# EAGLE board Mk4 Final Panel 6up 3x2 (EAGLE 9.0.1), part 16 of 18
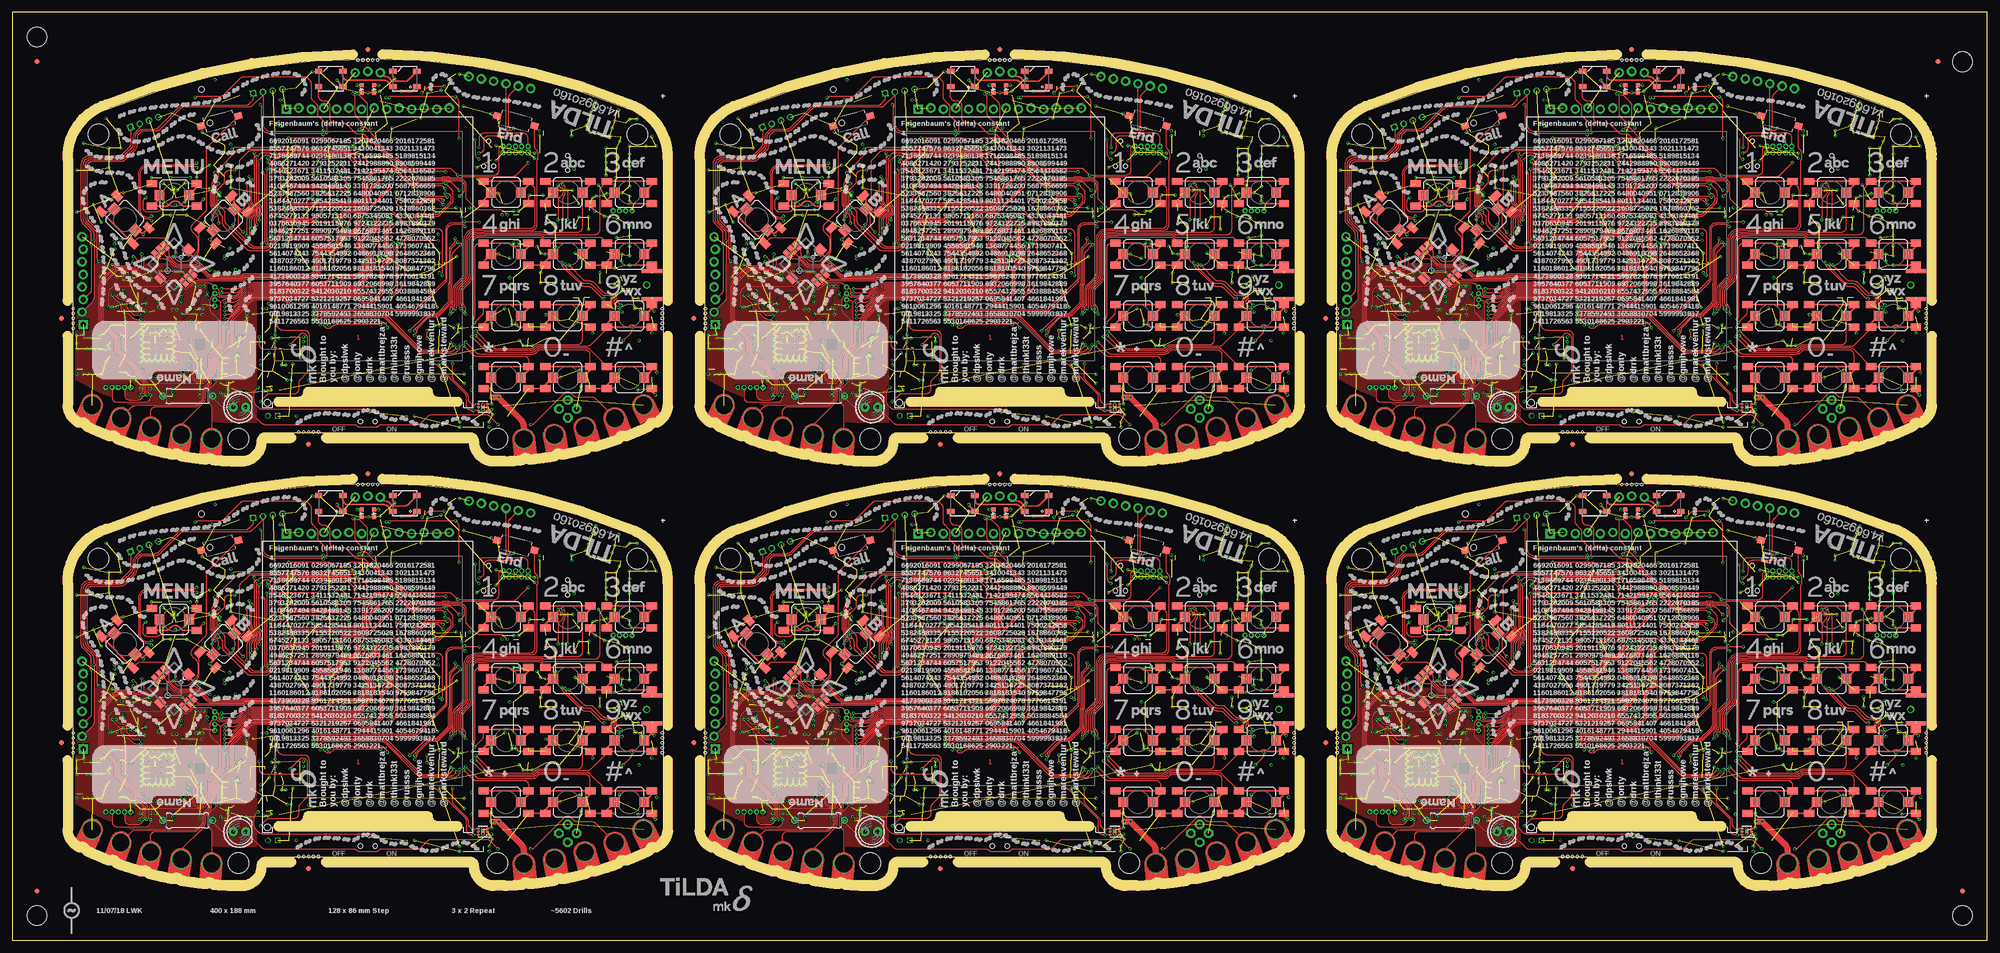
[diagram p0: board, top side]
## Tracks (layer width: path | path; a pad name or v marks a point on that pad's centre or on a via) (continued)
TCA_!INT  (via drill 0.3) (continued)
  Top 0.15: v72.4,58.6 arc-45 72.12,58.02 70.29,56.19 arc90 70.29,53.71 71.85,52.15 arc-45 72,51.79 72,51.71 arc-45 71.85,51.35 71.65,51.15 arc45 71.5,50.79 71.5,50.35 arc-45 71.06,49.28 70.61,48.84 arc-45 69.55,48.4 66.91,48.4 arc45 66.21,48.11 v65.7,47.6
  Bottom 0.15: R76.1 66.7,39.25 arc-90 65.7,40.25 v65.7,47.6 | IC1.15 72.6,58.19 arc45 72.45,58.55 v72.4,58.6
  Bottom 0.2: IC4.22 87.71,38.25 arc-45 87.35,38.4 87.06,38.69 arc-45 87.05,38.72 arc45 86.9,39.07 86.87,39.1 arc45 86.52,39.25 R76.1
TCA_!INT1  (via drill 0.3)
  Top 0.15: v200.4,58.6 arc-45 200.12,58.02 198.29,56.19 arc90 198.29,53.71 199.85,52.15 arc-45 200,51.79 200,51.71 arc-45 199.85,51.35 199.65,51.15 arc45 199.5,50.79 199.5,50.35 arc-45 199.06,49.28 198.62,48.84 arc-45 197.55,48.4 194.91,48.4 arc45 194.21,48.11 v193.7,47.6
  Bottom 0.15: R152.1 194.7,39.25 arc-90 193.7,40.25 v193.7,47.6 | IC20.15 200.6,58.19 arc45 200.45,58.55 v200.4,58.6
  Bottom 0.2: IC31.22 215.71,38.25 arc-45 215.35,38.4 215.06,38.69 arc-45 215.05,38.72 arc45 214.9,39.07 214.87,39.1 arc45 214.51,39.25 R152.1
TCA_!INT2  (via drill 0.3)
  Top 0.15: v72.4,144.6 arc-45 72.12,144.02 70.29,142.19 arc90 70.29,139.71 71.85,138.15 arc-45 72,137.79 72,137.71 arc-45 71.85,137.35 71.65,137.15 arc45 71.5,136.79 71.5,136.35 arc-45 71.06,135.28 70.61,134.84 arc-45 69.55,134.4 66.91,134.4 arc45 66.21,134.11 v65.7,133.6
  Bottom 0.15: R230.1 66.7,125.25 arc-90 65.7,126.25 v65.7,133.6 | IC38.15 72.6,144.19 arc45 72.45,144.55 v72.4,144.6
  Bottom 0.2: IC49.22 87.71,124.25 arc-45 87.35,124.4 87.06,124.69 arc-45 87.05,124.72 arc45 86.9,125.07 86.87,125.1 arc45 86.52,125.25 R230.1
TCA_!INT3  (via drill 0.3)
  Top 0.15: v200.4,144.6 arc-45 200.12,144.02 198.29,142.19 arc90 198.29,139.71 199.85,138.15 arc-45 200,137.79 200,137.71 arc-45 199.85,137.35 199.65,137.15 arc45 199.5,136.79 199.5,136.35 arc-45 199.06,135.28 198.62,134.84 arc-45 197.55,134.4 194.91,134.4 arc45 194.21,134.11 v193.7,133.6
  Bottom 0.15: R308.1 194.7,125.25 arc-90 193.7,126.25 v193.7,133.6 | IC56.15 200.6,144.19 arc45 200.45,144.55 v200.4,144.6
  Bottom 0.2: IC67.22 215.71,124.25 arc-45 215.35,124.4 215.06,124.69 arc-45 215.05,124.72 arc45 214.9,125.07 214.87,125.1 arc45 214.51,125.25 R308.1
TCA_!INT4  (via drill 0.3)
  Top 0.15: v328.4,58.6 arc-45 328.12,58.02 326.29,56.19 arc90 326.29,53.71 327.85,52.15 arc-45 328,51.79 328,51.71 arc-45 327.85,51.35 327.65,51.15 arc45 327.5,50.79 327.5,50.35 arc-45 327.06,49.28 326.62,48.84 arc-45 325.55,48.4 322.91,48.4 arc45 322.21,48.11 v321.7,47.6
  Bottom 0.15: R386.1 322.7,39.25 arc-90 321.7,40.25 v321.7,47.6 | IC74.15 328.6,58.19 arc45 328.45,58.55 v328.4,58.6
  Bottom 0.2: IC85.22 343.71,38.25 arc-45 343.35,38.4 343.06,38.69 arc-45 343.05,38.72 arc45 342.9,39.07 342.87,39.1 arc45 342.51,39.25 R386.1
TCA_!INT6  (via drill 0.3)
  Top 0.15: v328.4,144.6 arc-45 328.12,144.02 326.29,142.19 arc90 326.29,139.71 327.85,138.15 arc-45 328,137.79 328,137.71 arc-45 327.85,137.35 327.65,137.15 arc45 327.5,136.79 327.5,136.35 arc-45 327.06,135.28 326.62,134.84 arc-45 325.55,134.4 322.91,134.4 arc45 322.21,134.11 v321.7,133.6
  Bottom 0.15: R542.1 322.7,125.25 arc-90 321.7,126.25 v321.7,133.6 | IC110.15 328.6,144.19 arc45 328.45,144.55 v328.4,144.6
  Bottom 0.2: IC121.22 343.71,124.25 arc-45 343.35,124.4 343.06,124.69 arc-45 343.05,124.72 arc45 342.9,125.07 342.87,125.1 arc45 342.51,125.25 R542.1
TPS_FB
  Bottom 0.25: IC9.2 R61.1 R60.2 C103.2
TPS_FB1
  Bottom 0.25: IC33.2 R139.1 R138.2 C211.2
TPS_FB2
  Bottom 0.25: IC51.2 R217.1 R216.2 C319.2
TPS_FB3
  Bottom 0.25: IC69.2 R295.1 R294.2 C427.2
TPS_FB4
  Bottom 0.25: IC87.2 R373.1 R372.2 C535.2
TPS_FB6
  Bottom 0.25: IC123.2 R529.1 R528.2 C751.2
UART0_CON_RX  (via drill 0.3)
  Top 0.15: v65.9,59.05 65.9,59.16 66.18,59.44 arc45 66.33,59.79 66.33,59.82 arc-45 66.47,60.17 67.51,61.21 arc-45 68.21,61.5 70.66,61.5 arc45 72.61,62.3 76.91,66.61 arc45 77.2,67.31 v77.2,69.5 | v101.5,78.5 v101.49,78.5 101.11,78.12 arc-45 100.76,77.97 100.47,77.97 arc-90 99.97,78.47 JP8.4
  Bottom 0.15: v65.9,59.05 65.85,59.05 65.75,58.95 arc-45 65.39,58.8 IC1.33 | v77.2,69.5 arc-45 77.47,70.14 80.13,72.81 arc-45 80.84,73.1 89.19,73.1 arc45 89.89,73.39 94.01,77.51 arc-45 94.71,77.8 100.59,77.8 arc45 100.95,77.95 v101.5,78.5
UART0_CON_RX1  (via drill 0.3)
  Top 0.15: v193.9,59.05 193.9,59.16 194.18,59.44 arc45 194.32,59.79 194.32,59.82 arc-45 194.47,60.17 195.51,61.21 arc-45 196.21,61.5 198.66,61.5 arc45 200.6,62.3 204.91,66.61 arc45 205.2,67.31 v205.2,69.5 | v229.5,78.5 v229.49,78.5 229.11,78.12 arc-45 228.76,77.97 228.47,77.97 arc-90 227.97,78.47 JP18.4
  Bottom 0.15: v193.9,59.05 193.85,59.05 193.75,58.95 arc-45 193.39,58.8 IC20.33 | v205.2,69.5 arc-45 205.47,70.14 208.13,72.81 arc-45 208.84,73.1 217.19,73.1 arc45 217.89,73.39 222.01,77.51 arc-45 222.71,77.8 228.59,77.8 arc45 228.95,77.95 v229.5,78.5
UART0_CON_RX2  (via drill 0.3)
  Top 0.15: v65.9,145.05 65.9,145.16 66.18,145.44 arc45 66.33,145.79 66.33,145.82 arc-45 66.47,146.17 67.51,147.21 arc-45 68.21,147.5 70.66,147.5 arc45 72.61,148.31 76.91,152.61 arc45 77.2,153.31 v77.2,155.5 | v101.5,164.5 v101.49,164.5 101.11,164.12 arc-45 100.76,163.97 100.47,163.97 arc-90 99.97,164.47 JP27.4
  Bottom 0.15: v65.9,145.05 65.85,145.05 65.75,144.95 arc-45 65.39,144.8 IC38.33 | v77.2,155.5 arc-45 77.47,156.14 80.13,158.81 arc-45 80.84,159.1 89.19,159.1 arc45 89.89,159.39 94.01,163.51 arc-45 94.71,163.8 100.59,163.8 arc45 100.95,163.95 v101.5,164.5
UART0_CON_RX3  (via drill 0.3)
  Top 0.15: v193.9,145.05 193.9,145.16 194.18,145.44 arc45 194.32,145.79 194.32,145.82 arc-45 194.47,146.17 195.51,147.21 arc-45 196.21,147.5 198.66,147.5 arc45 200.6,148.31 204.91,152.61 arc45 205.2,153.31 v205.2,155.5 | v229.5,164.5 v229.49,164.5 229.11,164.12 arc-45 228.76,163.97 228.47,163.97 arc-90 227.97,164.47 JP36.4
  Bottom 0.15: v193.9,145.05 193.85,145.05 193.75,144.95 arc-45 193.39,144.8 IC56.33 | v205.2,155.5 arc-45 205.47,156.14 208.13,158.81 arc-45 208.84,159.1 217.19,159.1 arc45 217.89,159.39 222.01,163.51 arc-45 222.71,163.8 228.59,163.8 arc45 228.95,163.95 v229.5,164.5
UART0_CON_RX4  (via drill 0.3)
  Top 0.15: v321.9,59.05 321.9,59.16 322.18,59.44 arc45 322.32,59.79 322.32,59.82 arc-45 322.47,60.17 323.51,61.21 arc-45 324.21,61.5 326.66,61.5 arc45 328.61,62.3 332.91,66.61 arc45 333.2,67.31 v333.2,69.5 | v357.5,78.5 v357.49,78.5 357.11,78.12 arc-45 356.76,77.97 356.48,77.97 arc-90 355.98,78.47 JP45.4
  Bottom 0.15: v321.9,59.05 321.85,59.05 321.75,58.95 arc-45 321.39,58.8 IC74.33 | v333.2,69.5 arc-45 333.47,70.14 336.13,72.81 arc-45 336.84,73.1 345.19,73.1 arc45 345.89,73.39 350.01,77.51 arc-45 350.71,77.8 356.59,77.8 arc45 356.95,77.95 v357.5,78.5
UART0_CON_RX6  (via drill 0.3)
  Top 0.15: v321.9,145.05 321.9,145.16 322.18,145.44 arc45 322.32,145.79 322.32,145.82 arc-45 322.47,146.17 323.51,147.21 arc-45 324.21,147.5 326.66,147.5 arc45 328.61,148.31 332.91,152.61 arc45 333.2,153.31 v333.2,155.5 | v357.5,164.5 v357.49,164.5 357.11,164.12 arc-45 356.76,163.97 356.48,163.97 arc-90 355.98,164.47 JP63.4
  Bottom 0.15: v321.9,145.05 321.85,145.05 321.75,144.95 arc-45 321.39,144.8 IC110.33 | v333.2,155.5 arc-45 333.47,156.14 336.13,158.81 arc-45 336.84,159.1 345.19,159.1 arc45 345.89,159.39 350.01,163.51 arc-45 350.71,163.8 356.59,163.8 arc45 356.95,163.95 v357.5,164.5
UART0_CON_TX  (via drill 0.3)
  Top 0.15: v65.8,59.8 arc-45 65.94,60.14 67.23,61.43 arc-45 68.12,61.8 70.56,61.8 arc45 72.33,62.53 76.11,66.31 arc45 76.4,67.01 v76.4,69.5 | v100.5,78.5 100.5,84.67 arc-45 100.79,85.38 JP8.5
  Bottom 0.15: v76.4,69.5 80.01,73.11 arc-45 80.71,73.4 89.04,73.4 arc45 89.74,73.69 93.86,77.81 arc-45 94.56,78.1 99.99,78.1 arc45 100.35,78.25 100.5,78.4 v100.5,78.5 | IC1.34 64.99,59.2 arc45 65.35,59.35 v65.8,59.8
UART0_CON_TX1  (via drill 0.3)
  Top 0.15: v193.8,59.8 arc-45 193.94,60.14 195.23,61.43 arc-45 196.12,61.8 198.56,61.8 arc45 200.33,62.53 204.11,66.31 arc45 204.4,67.01 v204.4,69.5 | v228.5,78.5 228.5,84.67 arc-45 228.79,85.38 JP18.5
  Bottom 0.15: v204.4,69.5 208.01,73.11 arc-45 208.71,73.4 217.04,73.4 arc45 217.74,73.69 221.86,77.81 arc-45 222.56,78.1 227.99,78.1 arc45 228.35,78.25 228.5,78.4 v228.5,78.5 | IC20.34 192.99,59.2 arc45 193.35,59.35 v193.8,59.8
UART0_CON_TX2  (via drill 0.3)
  Top 0.15: v65.8,145.8 arc-45 65.94,146.14 67.23,147.43 arc-45 68.12,147.8 70.56,147.8 arc45 72.33,148.53 76.11,152.31 arc45 76.4,153.01 v76.4,155.5 | v100.5,164.5 100.5,170.67 arc-45 100.79,171.38 JP27.5
  Bottom 0.15: v76.4,155.5 80.01,159.11 arc-45 80.71,159.4 89.04,159.4 arc45 89.74,159.69 93.86,163.81 arc-45 94.56,164.1 99.99,164.1 arc45 100.35,164.25 100.5,164.4 v100.5,164.5 | IC38.34 64.99,145.2 arc45 65.35,145.35 v65.8,145.8
UART0_CON_TX3  (via drill 0.3)
  Top 0.15: v193.8,145.8 arc-45 193.94,146.14 195.23,147.43 arc-45 196.12,147.8 198.56,147.8 arc45 200.33,148.53 204.11,152.31 arc45 204.4,153.01 v204.4,155.5 | v228.5,164.5 228.5,170.67 arc-45 228.79,171.38 JP36.5
  Bottom 0.15: v204.4,155.5 208.01,159.11 arc-45 208.71,159.4 217.04,159.4 arc45 217.74,159.69 221.86,163.81 arc-45 222.56,164.1 227.99,164.1 arc45 228.35,164.25 228.5,164.4 v228.5,164.5 | IC56.34 192.99,145.2 arc45 193.35,145.35 v193.8,145.8
UART0_CON_TX4  (via drill 0.3)
  Top 0.15: v321.8,59.8 arc-45 321.94,60.14 323.23,61.43 arc-45 324.12,61.8 326.56,61.8 arc45 328.33,62.53 332.11,66.31 arc45 332.4,67.01 v332.4,69.5 | v356.5,78.5 356.5,84.67 arc-45 356.79,85.38 JP45.5
  Bottom 0.15: v332.4,69.5 336.01,73.11 arc-45 336.71,73.4 345.04,73.4 arc45 345.74,73.69 349.86,77.81 arc-45 350.56,78.1 355.99,78.1 arc45 356.35,78.25 356.5,78.4 v356.5,78.5 | IC74.34 320.99,59.2 arc45 321.35,59.35 v321.8,59.8
UART0_CON_TX6  (via drill 0.3)
  Top 0.15: v321.8,145.8 arc-45 321.94,146.14 323.23,147.43 arc-45 324.12,147.8 326.56,147.8 arc45 328.33,148.53 332.11,152.31 arc45 332.4,153.01 v332.4,155.5 | v356.5,164.5 356.5,170.67 arc-45 356.79,171.38 JP63.5
  Bottom 0.15: v332.4,155.5 336.01,159.11 arc-45 336.71,159.4 345.04,159.4 arc45 345.74,159.69 349.86,163.81 arc-45 350.56,164.1 355.99,164.1 arc45 356.35,164.25 356.5,164.4 v356.5,164.5 | IC110.34 320.99,145.2 arc45 321.35,145.35 v321.8,145.8
UART1_SIM_RX  (via drill 0.3)
  Top 0.15: v81.1,63.4 82.34,63.4 arc45 83.04,63.69 83.38,64.03 arc-45 84.27,64.4 86.66,64.4 arc-45 86.9,64.3 v87.25,63.95
  Bottom 0.15: R36.1 TP9.TP 97.09,47.91 arc-45 96.8,48.61 96.8,51.34 arc45 96.51,52.05 87.52,61.04 arc-45 87.22,61.75 87.22,62.01 arc45 87.08,62.36 86.92,62.52 arc-45 86.78,62.87 86.78,63.01 arc-45 86.92,63.36 87.07,63.51 arc45 v87.25,63.95 | IC1.118 80.5,62.8 v81.1,63.4
UART1_SIM_RX1  (via drill 0.3)
  Top 0.15: v209.1,63.4 210.34,63.4 arc45 211.04,63.69 211.38,64.03 arc-45 212.27,64.4 214.66,64.4 arc-45 214.9,64.3 v215.25,63.95
  Bottom 0.15: R119.1 TP28.TP 225.09,47.91 arc-45 224.8,48.61 224.8,51.34 arc45 224.51,52.05 215.52,61.04 arc-45 215.22,61.75 215.22,62.01 arc45 215.08,62.36 214.92,62.52 arc-45 214.78,62.87 214.78,63.01 arc-45 214.92,63.36 215.07,63.51 arc45 v215.25,63.95 | IC20.118 208.5,62.8 v209.1,63.4
UART1_SIM_RX2  (via drill 0.3)
  Top 0.15: v81.1,149.4 82.34,149.4 arc45 83.04,149.69 83.38,150.03 arc-45 84.27,150.4 86.66,150.4 arc-45 86.9,150.3 v87.25,149.95
  Bottom 0.15: R197.1 TP47.TP 97.09,133.91 arc-45 96.8,134.61 96.8,137.34 arc45 96.51,138.05 87.52,147.04 arc-45 87.22,147.75 87.22,148.01 arc45 87.08,148.36 86.92,148.52 arc-45 86.78,148.87 86.78,149.01 arc-45 86.92,149.36 87.07,149.51 arc45 v87.25,149.95 | IC38.118 80.5,148.8 v81.1,149.4
UART1_SIM_RX3  (via drill 0.3)
  Top 0.15: v209.1,149.4 210.34,149.4 arc45 211.04,149.69 211.38,150.03 arc-45 212.27,150.4 214.66,150.4 arc-45 214.9,150.3 v215.25,149.95
  Bottom 0.15: R275.1 TP66.TP 225.09,133.91 arc-45 224.8,134.61 224.8,137.34 arc45 224.51,138.05 215.52,147.04 arc-45 215.22,147.75 215.22,148.01 arc45 215.08,148.36 214.92,148.52 arc-45 214.78,148.87 214.78,149.01 arc-45 214.92,149.36 215.07,149.51 arc45 v215.25,149.95 | IC56.118 208.5,148.8 v209.1,149.4
UART1_SIM_RX4  (via drill 0.3)
  Top 0.15: v337.1,63.4 338.34,63.4 arc45 339.04,63.69 339.38,64.03 arc-45 340.27,64.4 342.66,64.4 arc-45 342.9,64.3 v343.25,63.95
  Bottom 0.15: R353.1 TP85.TP 353.09,47.91 arc-45 352.8,48.61 352.8,51.34 arc45 352.51,52.05 343.52,61.04 arc-45 343.23,61.75 343.23,62.01 arc45 343.08,62.36 342.92,62.52 arc-45 342.77,62.87 342.77,63.01 arc-45 342.92,63.36 343.07,63.51 arc45 v343.25,63.95 | IC74.118 336.5,62.8 v337.1,63.4
UART1_SIM_RX6  (via drill 0.3)
  Top 0.15: v337.1,149.4 338.34,149.4 arc45 339.04,149.69 339.38,150.03 arc-45 340.27,150.4 342.66,150.4 arc-45 342.9,150.3 v343.25,149.95
  Bottom 0.15: R509.1 TP123.TP 353.09,133.91 arc-45 352.8,134.61 352.8,137.34 arc45 352.51,138.05 343.52,147.04 arc-45 343.23,147.75 343.23,148.01 arc45 343.08,148.36 342.92,148.52 arc-45 342.77,148.87 342.77,149.01 arc-45 342.92,149.36 343.07,149.51 arc45 v343.25,149.95 | IC110.118 336.5,148.8 v337.1,149.4
UART1_SIM_TX  (via drill 0.3)
  Top 0.15: v81.1,62.6 81.6,63.1 82.54,63.1 arc45 83.24,63.39 83.66,63.81 arc-45 84.36,64.1 85.79,64.1 arc-45 86.49,63.81 v87.3,63
  Bottom 0.15: R37.1 TP8.TP 97.39,49.61 arc-45 97.1,50.31 97.1,51.47 arc45 96.81,52.17 87.82,61.16 arc-45 87.53,61.87 87.53,62.56 arc45 87.38,62.91 87.3,62.99 v87.3,63 | IC1.119 80.9,62.4 v81.1,62.6
UART1_SIM_TX1  (via drill 0.3)
  Top 0.15: v209.1,62.6 209.6,63.1 210.54,63.1 arc45 211.24,63.39 211.66,63.81 arc-45 212.36,64.1 213.79,64.1 arc-45 214.49,63.81 v215.3,63
  Bottom 0.15: R120.1 TP27.TP 225.39,49.61 arc-45 225.1,50.31 225.1,51.47 arc45 224.81,52.17 215.82,61.16 arc-45 215.53,61.87 215.53,62.56 arc45 215.38,62.91 215.3,62.99 v215.3,63 | IC20.119 208.9,62.4 v209.1,62.6
UART1_SIM_TX2  (via drill 0.3)
  Top 0.15: v81.1,148.6 81.6,149.1 82.54,149.1 arc45 83.24,149.39 83.66,149.81 arc-45 84.36,150.1 85.79,150.1 arc-45 86.49,149.81 v87.3,149
  Bottom 0.15: R198.1 TP46.TP 97.39,135.61 arc-45 97.1,136.31 97.1,137.47 arc45 96.81,138.18 87.82,147.16 arc-45 87.53,147.87 87.53,148.56 arc45 87.38,148.91 v87.3,148.99 v87.3,149 | IC38.119 80.9,148.4 v81.1,148.6
UART1_SIM_TX3  (via drill 0.3)
  Top 0.15: v209.1,148.6 209.6,149.1 210.54,149.1 arc45 211.24,149.39 211.66,149.81 arc-45 212.36,150.1 213.79,150.1 arc-45 214.49,149.81 v215.3,149
  Bottom 0.15: R276.1 TP65.TP 225.39,135.61 arc-45 225.1,136.31 225.1,137.47 arc45 224.81,138.18 215.82,147.16 arc-45 215.53,147.87 215.53,148.56 arc45 215.38,148.91 v215.3,148.99 v215.3,149 | IC56.119 208.9,148.4 v209.1,148.6
UART1_SIM_TX4  (via drill 0.3)
  Top 0.15: v337.1,62.6 337.6,63.1 338.54,63.1 arc45 339.24,63.39 339.66,63.81 arc-45 340.36,64.1 341.79,64.1 arc-45 342.49,63.81 v343.3,63
  Bottom 0.15: R354.1 TP84.TP 353.39,49.61 arc-45 353.1,50.31 353.1,51.47 arc45 352.81,52.17 343.82,61.16 arc-45 343.52,61.87 343.52,62.56 arc45 343.38,62.91 343.3,62.99 v343.3,63 | IC74.119 336.9,62.4 v337.1,62.6
UART1_SIM_TX6  (via drill 0.3)
  Top 0.15: v337.1,148.6 337.6,149.1 338.54,149.1 arc45 339.24,149.39 339.66,149.81 arc-45 340.36,150.1 341.79,150.1 arc-45 342.49,149.81 v343.3,149
  Bottom 0.15: R510.1 TP122.TP 353.39,135.61 arc-45 353.1,136.31 353.1,137.47 arc45 352.81,138.18 343.82,147.16 arc-45 343.52,147.87 343.52,148.56 arc45 343.38,148.91 v343.3,148.99 v343.3,149 | IC110.119 336.9,148.4 v337.1,148.6
UART3_CC_RX  (via drill 0.3)
  Top 0.15: v35.75,31.75 36.46,31.04 arc-45 36.75,30.34 36.75,28.25 arc90 37.75,27.25 37.8,27.25 arc90 38.8,28.25 arc-45 39.24,29.31 39.51,29.58 arc45 39.8,30.29 39.8,31.95 arc-45 40.31,33.19 41.66,34.53 arc45 41.95,35.24 41.95,39.14 arc45 41.66,39.84 40.29,41.21 arc-45 40,41.91 40,43.63 arc-45 40.29,44.33 JP5.3 41.04,45.04 41.48,44.59 arc45 42.19,44.3 44.94,44.3 arc45 45.82,44.67 46.68,45.52 arc-45 48.8,46.4 69.01,46.4 arc45 69.9,46.77 72.11,48.98 arc45 72.4,49.68 72.4,50.19 arc-45 72.55,50.55 72.75,50.75 arc45 72.9,51.11 72.9,51.98 arc45 72.53,52.87 71.1,54.3 arc-90 71.1,55.71 73.45,58.06 arc45 73.6,58.42 73.6,58.43 arc-45 73.75,58.78 arc45 73.83,58.97 73.83,60.12 arc-45 73.97,60.47 v74,60.5
  Bottom 0.15: IC15.55 34.35,35.25 arc-90 35.35,34.25 35.35,32.35 arc45 35.41,32.21 35.47,32.15 arc-45 35.52,32.01 35.52,31.98 v35.75,31.75 R68.1 | IC1.116 75,63.6 arc90 74,62.6 v74,60.5
UART3_CC_RX1  (via drill 0.3)
  Top 0.15: v163.75,31.75 164.46,31.04 arc-45 164.75,30.34 164.75,28.25 arc90 165.75,27.25 165.8,27.25 arc90 166.8,28.25 arc-45 167.24,29.31 167.51,29.58 arc45 167.8,30.29 167.8,31.95 arc-45 168.31,33.19 169.66,34.53 arc45 169.95,35.24 169.95,39.14 arc45 169.66,39.84 168.29,41.21 arc-45 168,41.91 168,43.63 arc-45 168.29,44.33 JP16.3 169.04,45.04 169.48,44.59 arc45 170.19,44.3 172.94,44.3 arc45 173.82,44.67 174.68,45.52 arc-45 176.8,46.4 197.01,46.4 arc45 197.9,46.77 200.11,48.98 arc45 200.4,49.68 200.4,50.19 arc-45 200.55,50.55 200.75,50.75 arc45 200.9,51.11 200.9,51.98 arc45 200.53,52.87 199.1,54.3 arc-90 199.1,55.71 201.45,58.06 arc45 201.6,58.42 201.6,58.43 arc-45 201.75,58.78 arc45 201.82,58.97 201.82,60.12 arc-45 201.97,60.47 v202,60.5
  Bottom 0.15: IC29.55 162.35,35.25 arc-90 163.35,34.25 163.35,32.35 arc45 163.41,32.21 163.47,32.15 arc-45 163.53,32.01 163.53,31.98 v163.75,31.75 R146.1 | IC20.116 203,63.6 arc90 202,62.6 v202,60.5
UART3_CC_RX2  (via drill 0.3)
  Top 0.15: v35.75,117.75 36.46,117.04 arc-45 36.75,116.34 36.75,114.25 arc90 37.75,113.25 37.8,113.25 arc90 38.8,114.25 arc-45 39.24,115.31 39.51,115.58 arc45 39.8,116.29 39.8,117.95 arc-45 40.31,119.19 41.66,120.53 arc45 41.95,121.24 41.95,125.14 arc45 41.66,125.84 40.29,127.21 arc-45 40,127.91 40,129.63 arc-45 40.29,130.33 JP25.3 41.04,131.04 41.48,130.59 arc45 42.19,130.3 44.94,130.3 arc45 45.82,130.67 46.68,131.52 arc-45 48.8,132.4 69.01,132.4 arc45 69.9,132.77 72.11,134.98 arc45 72.4,135.68 72.4,136.19 arc-45 72.55,136.55 72.75,136.75 arc45 72.9,137.11 72.9,137.98 arc45 72.53,138.87 71.1,140.3 arc-90 71.1,141.71 73.45,144.06 arc45 73.6,144.42 73.6,144.43 arc-45 73.75,144.78 arc45 73.83,144.97 73.83,146.12 arc-45 73.97,146.47 v74,146.5
  Bottom 0.15: IC47.55 34.35,121.25 arc-90 35.35,120.25 35.35,118.35 arc45 35.41,118.21 35.47,118.15 arc-45 35.52,118.01 35.52,117.97 v35.75,117.75 R224.1 | IC38.116 75,149.6 arc90 74,148.6 v74,146.5
UART3_CC_RX3  (via drill 0.3)
  Top 0.15: v163.75,117.75 164.46,117.04 arc-45 164.75,116.34 164.75,114.25 arc90 165.75,113.25 165.8,113.25 arc90 166.8,114.25 arc-45 167.24,115.31 167.51,115.58 arc45 167.8,116.29 167.8,117.95 arc-45 168.31,119.19 169.66,120.53 arc45 169.95,121.24 169.95,125.14 arc45 169.66,125.84 168.29,127.21 arc-45 168,127.91 168,129.63 arc-45 168.29,130.33 JP34.3 169.04,131.04 169.48,130.59 arc45 170.19,130.3 172.94,130.3 arc45 173.82,130.67 174.68,131.52 arc-45 176.8,132.4 197.01,132.4 arc45 197.9,132.77 200.11,134.98 arc45 200.4,135.68 200.4,136.19 arc-45 200.55,136.55 200.75,136.75 arc45 200.9,137.11 200.9,137.98 arc45 200.53,138.87 199.1,140.3 arc-90 199.1,141.71 201.45,144.06 arc45 201.6,144.42 201.6,144.43 arc-45 201.75,144.78 arc45 201.82,144.97 201.82,146.12 arc-45 201.97,146.47 v202,146.5
  Bottom 0.15: IC65.55 162.35,121.25 arc-90 163.35,120.25 163.35,118.35 arc45 163.41,118.21 163.47,118.15 arc-45 163.53,118.01 163.53,117.97 v163.75,117.75 R302.1 | IC56.116 203,149.6 arc90 202,148.6 v202,146.5
UART3_CC_RX4  (via drill 0.3)
  Top 0.15: v291.75,31.75 292.46,31.04 arc-45 292.75,30.34 292.75,28.25 arc90 293.75,27.25 293.8,27.25 arc90 294.8,28.25 arc-45 295.24,29.31 295.51,29.58 arc45 295.8,30.29 295.8,31.95 arc-45 296.31,33.19 297.66,34.53 arc45 297.95,35.24 297.95,39.14 arc45 297.66,39.84 296.29,41.21 arc-45 296,41.91 296,43.63 arc-45 296.29,44.33 JP43.3 297.04,45.04 297.48,44.59 arc45 298.19,44.3 300.94,44.3 arc45 301.82,44.67 302.68,45.52 arc-45 304.8,46.4 325.01,46.4 arc45 325.9,46.77 328.11,48.98 arc45 328.4,49.68 328.4,50.19 arc-45 328.55,50.55 328.75,50.75 arc45 328.9,51.11 328.9,51.98 arc45 328.53,52.87 327.1,54.3 arc-90 327.1,55.71 329.45,58.06 arc45 329.6,58.42 329.6,58.43 arc-45 329.75,58.78 arc45 329.82,58.97 329.82,60.12 arc-45 329.97,60.47 v330,60.5
  Bottom 0.15: IC83.55 290.35,35.25 arc-90 291.35,34.25 291.35,32.35 arc45 291.41,32.21 291.47,32.15 arc-45 291.52,32.01 291.52,31.98 v291.75,31.75 R380.1 | IC74.116 331,63.6 arc90 330,62.6 v330,60.5
UART3_CC_RX6  (via drill 0.3)
  Top 0.15: v291.75,117.75 292.46,117.04 arc-45 292.75,116.34 292.75,114.25 arc90 293.75,113.25 293.8,113.25 arc90 294.8,114.25 arc-45 295.24,115.31 295.51,115.58 arc45 295.8,116.29 295.8,117.95 arc-45 296.31,119.19 297.66,120.53 arc45 297.95,121.24 297.95,125.14 arc45 297.66,125.84 296.29,127.21 arc-45 296,127.91 296,129.63 arc-45 296.29,130.33 JP61.3 297.04,131.04 297.48,130.59 arc45 298.19,130.3 300.94,130.3 arc45 301.82,130.67 302.68,131.52 arc-45 304.8,132.4 325.01,132.4 arc45 325.9,132.77 328.11,134.98 arc45 328.4,135.68 328.4,136.19 arc-45 328.55,136.55 328.75,136.75 arc45 328.9,137.11 328.9,137.98 arc45 328.53,138.87 327.1,140.3 arc-90 327.1,141.71 329.45,144.06 arc45 329.6,144.42 329.6,144.43 arc-45 329.75,144.78 arc45 329.82,144.97 329.82,146.12 arc-45 329.97,146.47 v330,146.5
  Bottom 0.15: IC119.55 290.35,121.25 arc-90 291.35,120.25 291.35,118.35 arc45 291.41,118.21 291.47,118.15 arc-45 291.52,118.01 291.52,117.97 v291.75,117.75 R536.1 | IC110.116 331,149.6 arc90 330,148.6 v330,146.5
UART3_CC_TX  (via drill 0.3)
  Top 0.15: v35.75,29.75 36.45,29.05 36.45,28.2 arc90 37.7,26.95 37.85,26.95 arc90 39.1,28.2 arc-45 39.49,29.14 39.73,29.38 arc45 40.1,30.27 40.1,31.62 arc-45 40.76,33.21 41.88,34.33 arc45 42.25,35.22 42.25,43.25 | 42.25,43.25 42.71,43.71 arc-45 43.41,44 44.96,44 arc45 46.02,44.44 46.88,45.3 arc-45 48.82,46.1 69.03,46.1 arc45 70.09,46.54 72.41,48.85 arc45 72.7,49.56 72.7,50.02 arc-45 72.85,50.37 73.05,50.58 arc45 73.2,50.93 73.2,57.09 arc-45 73.41,57.59 73.75,57.94 arc45 73.9,58.29 73.9,58.3 arc-45 74.05,58.66 arc45 74.12,58.84 74.12,59.67 arc-45 74.27,60.02 v74.75,60.5 | JP5.2 41.32,43.77 arc-45 42.02,43.48 42.25,43.25
  Bottom 0.15: IC15.57 arc-90 34.65,33.55 34.65,32.06 arc45 34.71,31.92 34.77,31.86 arc-45 34.83,31.72 34.83,31.09 arc45 35.12,30.38 v35.75,29.75 R69.1 | v74.75,60.5 74.75,62.27 arc-90 75.75,63.27 77.62,63.27 77.69,63.2 IC1.117
UART3_CC_TX1  (via drill 0.3)
  Top 0.15: v163.75,29.75 164.45,29.05 164.45,28.2 arc90 165.7,26.95 165.85,26.95 arc90 167.1,28.2 arc-45 167.49,29.14 167.73,29.38 arc45 168.1,30.27 168.1,31.62 arc-45 168.76,33.21 169.88,34.33 arc45 170.25,35.22 170.25,43.25 | 170.25,43.25 170.71,43.71 arc-45 171.41,44 172.96,44 arc45 174.02,44.44 174.88,45.3 arc-45 176.82,46.1 197.03,46.1 arc45 198.09,46.54 200.41,48.85 arc45 200.7,49.56 200.7,50.02 arc-45 200.85,50.37 201.05,50.58 arc45 201.2,50.93 201.2,57.09 arc-45 201.41,57.59 201.75,57.94 arc45 201.9,58.29 201.9,58.3 arc-45 202.05,58.66 arc45 202.12,58.84 202.12,59.67 arc-45 202.27,60.02 v202.75,60.5 | JP16.2 169.32,43.77 arc-45 170.02,43.48 170.25,43.25
  Bottom 0.15: IC29.57 arc-90 162.65,33.55 162.65,32.06 arc45 162.71,31.92 162.77,31.86 arc-45 162.82,31.72 162.82,31.09 arc45 163.12,30.38 v163.75,29.75 R147.1 | v202.75,60.5 202.75,62.27 arc-90 203.75,63.27 205.62,63.27 205.69,63.2 IC20.117
UART3_CC_TX2  (via drill 0.3)
  Top 0.15: v35.75,115.75 36.45,115.05 36.45,114.2 arc90 37.7,112.95 37.85,112.95 arc90 39.1,114.2 arc-45 39.49,115.14 39.73,115.38 arc45 40.1,116.27 40.1,117.62 arc-45 40.76,119.21 41.88,120.33 arc45 42.25,121.22 42.25,129.25 | 42.25,129.25 42.71,129.71 arc-45 43.41,130 44.96,130 arc45 46.02,130.44 46.88,131.3 arc-45 48.82,132.1 69.03,132.1 arc45 70.09,132.54 72.41,134.85 arc45 72.7,135.56 72.7,136.02 arc-45 72.85,136.37 73.05,136.58 arc45 73.2,136.93 73.2,143.09 arc-45 73.41,143.59 73.75,143.94 arc45 73.9,144.29 73.9,144.3 arc-45 74.05,144.66 arc45 74.12,144.84 74.12,145.67 arc-45 74.27,146.02 v74.75,146.5 | JP25.2 41.32,129.77 arc-45 42.02,129.48 42.25,129.25
  Bottom 0.15: IC47.57 arc-90 34.65,119.55 34.65,118.06 arc45 34.71,117.92 34.77,117.86 arc-45 34.83,117.72 34.83,117.09 arc45 35.12,116.38 v35.75,115.75 R225.1 | v74.75,146.5 74.75,148.28 arc-90 75.75,149.28 77.62,149.28 77.69,149.2 IC38.117
UART3_CC_TX3  (via drill 0.3)
  Top 0.15: v163.75,115.75 164.45,115.05 164.45,114.2 arc90 165.7,112.95 165.85,112.95 arc90 167.1,114.2 arc-45 167.49,115.14 167.73,115.38 arc45 168.1,116.27 168.1,117.62 arc-45 168.76,119.21 169.88,120.33 arc45 170.25,121.22 170.25,129.25 | 170.25,129.25 170.71,129.71 arc-45 171.41,130 172.96,130 arc45 174.02,130.44 174.88,131.3 arc-45 176.82,132.1 197.03,132.1 arc45 198.09,132.54 200.41,134.85 arc45 200.7,135.56 200.7,136.02 arc-45 200.85,136.37 201.05,136.58 arc45 201.2,136.93 201.2,143.09 arc-45 201.41,143.59 201.75,143.94 arc45 201.9,144.29 201.9,144.3 arc-45 202.05,144.66 arc45 202.12,144.84 202.12,145.67 arc-45 202.27,146.02 v202.75,146.5 | JP34.2 169.32,129.77 arc-45 170.02,129.48 170.25,129.25
  Bottom 0.15: IC65.57 arc-90 162.65,119.55 162.65,118.06 arc45 162.71,117.92 162.77,117.86 arc-45 162.82,117.72 162.82,117.09 arc45 163.12,116.38 v163.75,115.75 R303.1 | v202.75,146.5 202.75,148.28 arc-90 203.75,149.28 205.62,149.28 205.69,149.2 IC56.117